# KiCad board ZX-Spectrum-Pentagon.kicad_pcb (continued)
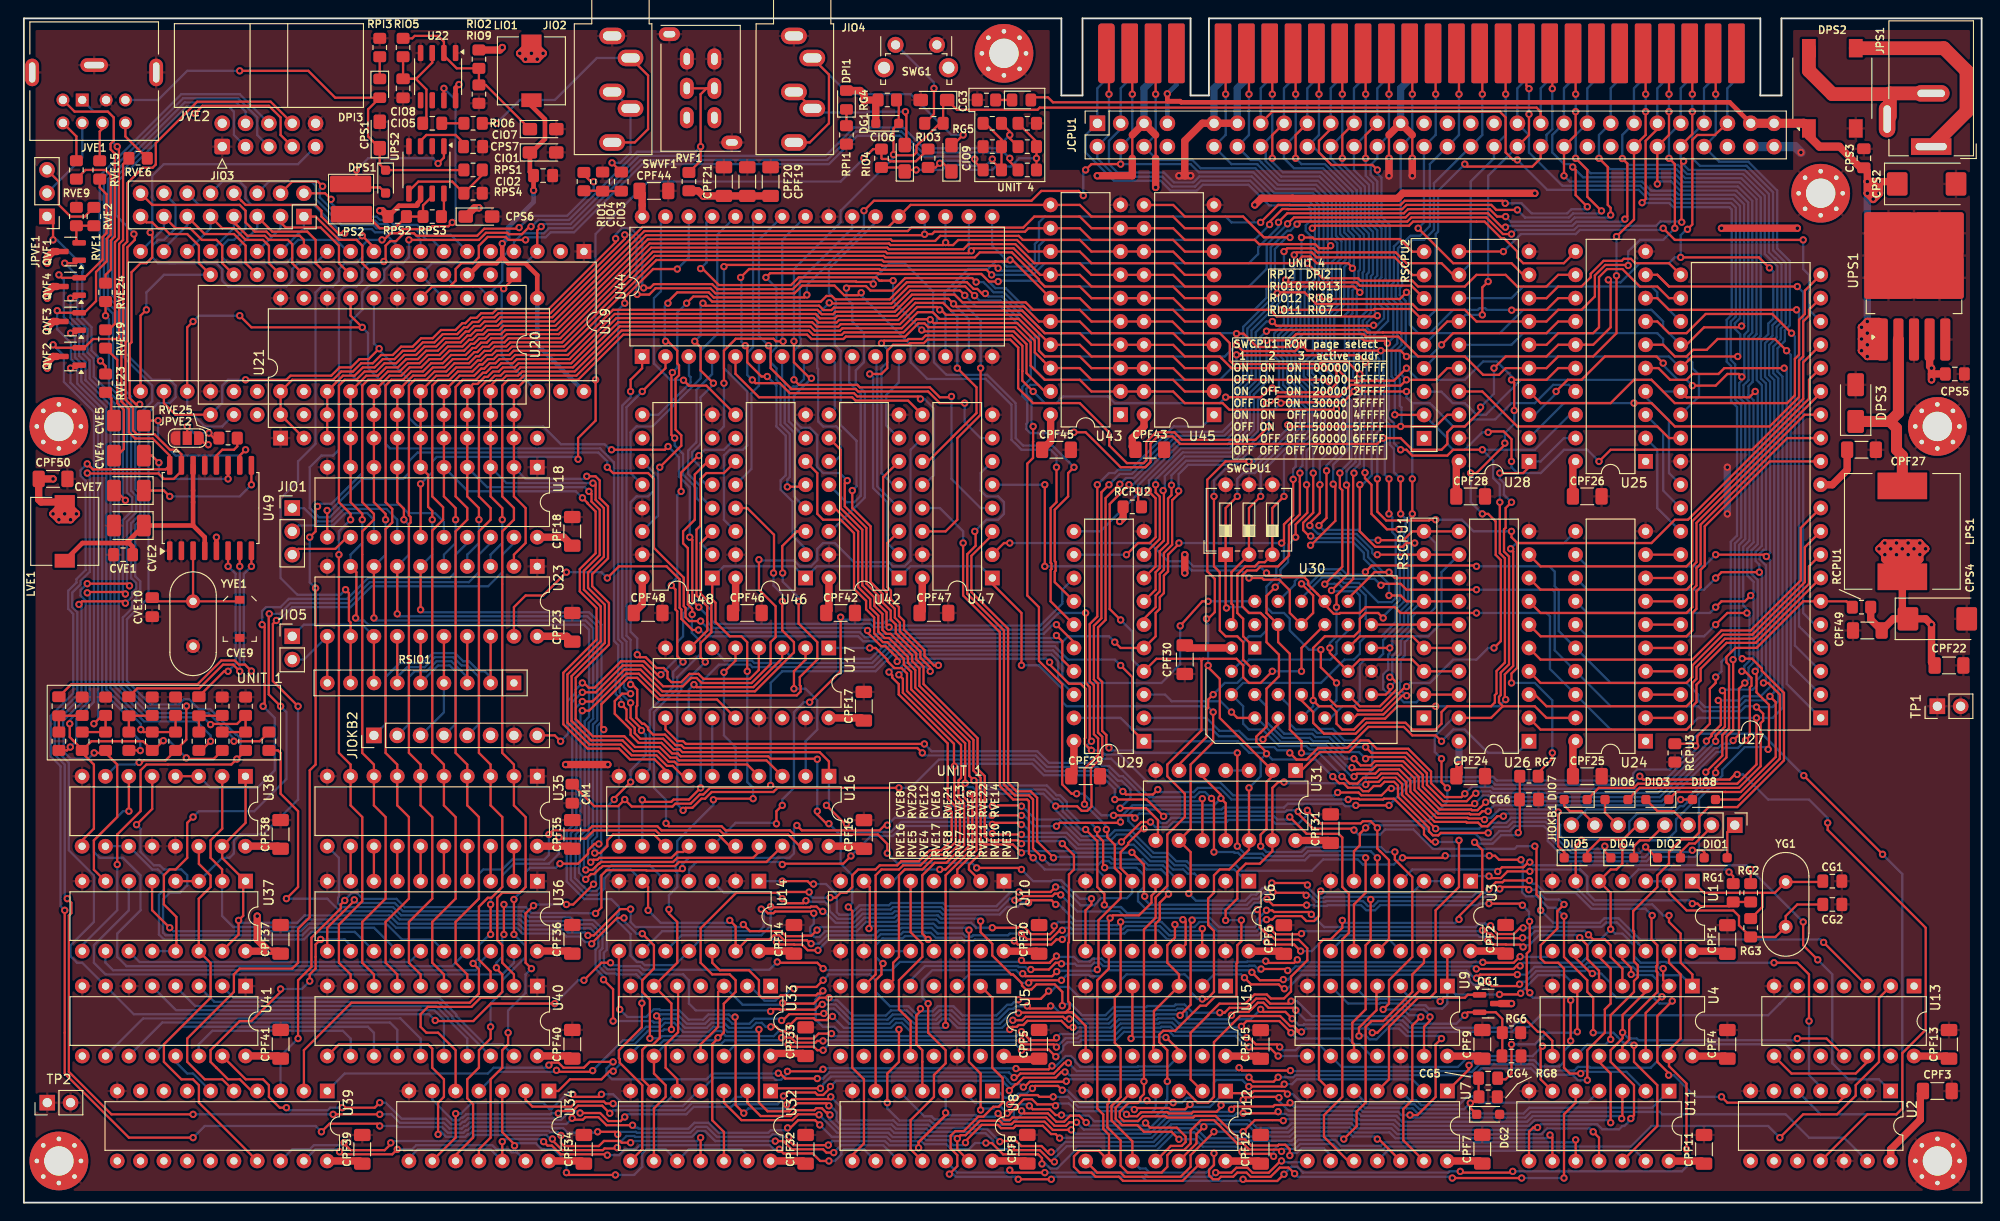
[diagram p0: board, top side]
## Routing (per net, layer and track width the routed paths; a pad name or vN(x,y) marks a point on that pad's centre or on a via; arc(x,y) is an arc through that point) (continued)
/CPU: length 45.4
  Top w0.25: v1(59.74,11.8) 60.01,11.53 62.59,11.53 v1(62.87,11.8) ; U34.9 47,7.09 v1(47,9.7) ; U32.5 71.12,13.43 69.85,14.7 69.85,17.21 71.21,18.56 71.21,23.5 71.12,23.59
  Bottom w0.25: v1(62.87,11.8) 64.14,11.8 64.97,10.97 69.93,10.97 U32.5 ; v1(59.74,11.8) 59.04,11.8 57.42,10.18 57.22,10.18 56.52,10.89 48.77,10.89 47.58,9.7 v1(47,9.7)
/CPU/BUSACK: length 78.6
  Top w0.25: U28.1 163.83,80.1 163.19,79.47 v1(160.66,79.47) ; v1(146.05,40.82) 145.42,40.19 145.42,38.92 144.78,38.28 U3.6 ; v1(161.93,76.29) 161.29,75.66 161.29,73.51 161.11,73.33 161.11,70.92 161.66,70.37 161.66,58.64 160.75,57.73 160.75,55.28 160.56,55.09 160.56,54.49 160.99,54.07 ; 168.91,52.8 165.74,52.8 164.47,54.07 160.97,54.07 159.7,52.8 U26.19 ; v1(154.31,48.35) 154.31,45.8 v1(154.93,45.17)
  Bottom w0.25: v1(161.93,76.29) 161.11,77.11 161.11,78.39 160.66,78.84 v1(160.66,79.47) ; v1(146.05,40.82) 146.78,41.55 152.82,41.55 154.93,43.66 v1(154.93,45.17) ; v1(154.31,48.35) 153.58,49.08 153.58,50.8 155.58,52.8 U26.19 ; 168.9,83.28 167.64,83.28 165.1,80.74 U28.1
/CPU/DIR: length 55.6
  Top w0.25: v1(137.8,48.99) 138.52,48.26 139.61,48.26 140.87,49.53 144.05,49.53 146.34,51.82 150.2,51.82 151.13,50.89 153.67,50.89 v1(154.31,50.26)
  Bottom w0.25: U29.19 119.38,52.8 120.65,51.53 129.36,51.53 130.08,50.8 132.22,50.8 133.4,49.62 136.1,49.62 136.44,49.28 137.5,49.28 v1(137.8,48.99) ; U26.1 162.56,48.99 159.39,48.99 156.84,51.53 155.58,51.53 v1(154.31,50.26)
/CPU/RA15: length 104.9
  Top w0.25: RSCPU2.6 151.03,97.34 147.02,97.34 146.93,97.25 v1(136.88,97.25) ; U30.3 132.72,59.15 132.72,61.05 132.08,61.69 130.81,61.69 130.18,62.32 130.18,68.67 129.54,69.31 v1(129.54,76.93) ; v1(166.37,121.34) 166.37,124.91 XMCPU1.B20 ; 165.1,115.03 165.1,113.76 164.2,112.86 157.11,112.86 v1(156.84,113.12)
  Bottom w0.25: v1(136.88,97.25) 137.15,96.98 137.15,95.73 136.09,94.67 136.09,92.21 136.62,91.68 136.62,88.89 137.73,87.78 137.73,86.51 138.46,85.78 138.46,84.57 133.8,79.92 130.78,79.92 129.54,78.68 v1(129.54,76.93) ; v1(166.37,121.34) 166.37,116.94 165.74,116.3 165.74,115.66 165.1,115.03 ; RSCPU2.6 153.67,97.22 153.67,105.5 153.94,105.77 153.94,110.22 v1(156.84,113.12)
/CPU/RA16: length 70.3
  Top w0.25: v1(132.08,76.93) 130.81,75.66 SWCPU1.1 130.81,64.86 v1(130.9,64.78) ; RSCPU2.7 151.03,99.88 145.42,99.88 145.06,100.24 137.62,100.24 v1(137.35,100.52)
  Bottom w0.25: v1(137.35,100.52) 137.6,100.26 137.6,95.55 136.54,94.49 136.54,92.39 137.06,91.87 137.06,89.08 138.18,87.96 138.18,86.7 138.91,85.97 138.91,84.39 133.99,79.47 132.72,79.47 132.08,78.83 v1(132.08,76.93) ; v1(130.9,64.78) 130.99,64.86 132.72,64.86 133.35,64.23 134.62,64.23 135.25,63.59 135.25,62.32 134.62,61.69 133.35,61.69 132.72,61.05 132.72,59.15 131.44,57.88
/CPU/RA17: length 60.5
  Top w0.25: RSCPU2.8 151.15,101.04 149.22,102.97 140.73,102.97 140.19,103.5 138.55,103.5 v1(138.27,103.23) ; 131.44,62.96 131.62,63.14 131.62,65.08 131.44,65.26 131.44,68.67 SWCPU1.2 133.35,75.66 v1(134.62,76.93)
  Bottom w0.25: v1(138.27,103.23) 138.27,100.58 138.05,100.36 138.05,95.36 136.99,94.3 136.99,92.58 137.52,92.06 137.52,89.27 138.63,88.15 138.63,86.88 139.36,86.16 139.36,84.2 134.62,79.47 v1(134.62,76.93)
/CPU/RA18: length 65.3
  Top w0.25: v1(139.06,105.13) 140.29,105.13 140.46,104.96 149.77,104.96 151.15,103.58 RSCPU2.9 ; v1(137.16,76.93) 135.89,75.66 SWCPU1.3 135.07,69.76 134.44,69.76 133.99,69.31 132.96,69.31 132.08,68.43 132.08,64.23 132.72,63.59 132.72,61.69 U30.1
  Bottom w0.25: v1(139.06,105.13) 139.06,102.97 138.97,102.88 138.97,100.34 138.5,99.86 138.5,95.18 137.44,94.11 137.44,92.77 137.97,92.24 137.97,89.45 139.08,88.34 139.08,87.07 139.81,86.34 139.81,84.02 137.16,81.37 v1(137.16,76.93)
/CPU/xA0: length 11.7
  Bottom w0.25: 180.34,78.2 179.07,79.47 179.07,85.18 176.52,87.73 U25.4
/CPU/xA1: length 11.7
  Bottom w0.25: 180.34,75.66 178.44,77.56 178.44,83.91 U25.3
/CPU/xA2: length 11.8
  Bottom w0.25: U25.2 177.8,82.01 177.8,82.01 177.8,75.66 180.34,73.12
/CPU/xA3: length 3.8
  Top w0.25: 176.53,70.58 180.34,70.58
/CPU/xA4: length 3.8
  Top w0.25: 176.53,68.04 180.34,68.04
/CPU/xA5: length 3.8
  Top w0.25: 176.53,65.5 180.34,65.5
/CPU/xA6: length 3.8
  Top w0.25: 176.53,62.96 180.34,62.96
/CPU/xA7: length 3.8
  Top w0.25: 176.53,60.42 180.34,60.42
/CPU/xA8: length 3.8
  Top w0.25: 176.53,57.88 180.34,57.88
/CPU/xA9: length 3.8
  Top w0.25: 176.53,55.34 180.34,55.34
/CPU/xA10: length 3.8
  Top w0.25: 176.53,52.8 180.34,52.8
/CPU/xA11: length 55.9
  Top w0.25: U25.5 177.92,90.91 179.19,89.63 180.98,89.63 181.61,90.26 184.45,90.26 185.09,90.9 v1(191.6,90.9)
  Bottom w0.25: 195.58,52.8 191.88,56.5 191.88,90.63 v1(191.6,90.9)
/CPU/xA12: length 56.2
  Top w0.25: v1(191.87,92.8) 190.6,94.07 184.36,94.07 183.18,92.89 181.7,92.89 180.97,92.17 179.71,92.17 178.43,93.44 U25.6
  Bottom w0.25: 195.58,55.34 192.33,58.59 192.33,92.35 v1(191.87,92.8)
/CPU/xA13: length 56.3
  Top w0.25: v1(192.41,94.71) 190.31,96.8 183.06,96.8 180.97,94.71 179.07,94.71 177.8,95.98 U25.7
  Bottom w0.25: v1(192.41,94.71) 192.78,94.34 192.78,60.68 195.58,57.88
/CPU/xA14: length 54.9
  Top w0.25: v1(192.95,97.25) 179.07,97.25 177.8,98.52 U25.8
  Bottom w0.25: 195.58,60.42 193.22,62.77 193.22,96.98 v1(192.95,97.25)
/CPU/xA15: length 57.1
  Top w0.25: 179.07,99.79 177.8,101.06 U25.9 ; 179.07,99.79 v1(193.04,99.79) ; 179.07,99.79 177.8,101.06 177.8,101.06
  Bottom w0.25: 195.58,62.96 194.94,62.96 193.68,64.23 193.68,99.16 v1(193.04,99.79)
/CPU/xD0: length 43.8
  Top w0.25: U27.14 193.84,85.82 182.06,74.04 182.06,69.76 181.61,69.31 181.61,67.4 180.97,66.77 165.09,66.77 163.82,68.04
/CPU/xD1: length 42.8
  Top w0.25: 195.58,88.36 U27.15 195.59,88.2 181.61,74.23 181.61,69.94 180.97,69.31 165.09,69.31 163.82,70.58
/CPU/xD2: length 46
  Top w0.25: 163.82,62.96 165.09,61.69 180.97,61.69 181.61,62.32 181.61,64.23 182.06,64.68 182.06,66.58 182.51,67.03 182.51,68.94 182.96,69.39 182.96,73.67 190.03,80.74 195.58,80.74
/CPU/xD3: length 42.1
  Top w0.25: 195.58,70.58 194.31,69.31 194.31,67.41 188.33,61.42 185.15,61.42 182.06,58.33 182.06,57.06 181.61,56.61 181.61,54.7 180.97,54.07 165.74,54.07 164.47,55.34 U26.3
/CPU/xD4: length 42.1
  Top w0.25: 163.82,52.8 165.09,51.53 180.97,51.53 181.61,52.16 181.61,54.07 182.06,54.52 182.06,56.42 182.51,56.87 182.51,58.15 185.34,60.97 188.52,60.97 195.58,68.04
/CPU/xD5: length 42.1
  Top w0.25: 195.58,73.12 193.86,71.4 193.86,67.59 188.14,61.88 184.97,61.88 181.61,58.52 181.61,57.24 180.97,56.61 165.09,56.61 163.82,57.88
/CPU/xD6: length 42.5
  Top w0.25: 195.58,75.66 193.41,73.49 193.41,67.78 187.96,62.32 184.78,62.32 181.6,59.15 165.09,59.15 163.82,60.42
/CPU/xD7: length 44.9
  Top w0.25: 163.82,65.5 165.09,64.23 180.97,64.23 181.61,64.86 181.61,66.77 182.06,67.22 182.06,69.12 182.51,69.57 182.51,73.86 191.93,83.28 195.58,83.28
/CPU/~{BUSACK}: length 176.2
  Top w0.25: v1(174.62,102.08) 174.57,102.14 172.14,102.14 171,101 171,98.7 169.55,97.25 167,97.25 165.74,95.98 U28.7 158.12,95.98 156.84,97.25 151.77,97.25 151.13,97.88 140.67,97.88 139.4,99.16 136.52,99.16 v1(136.43,99.07) ; v1(179.71,106.14) 179.71,113.12 v1(179.07,113.76) ; v1(147.32,37.56) U3.5 ; v1(118.11,49.54) 117.83,49.82 117.83,50.93 117.37,51.39 117.37,56.72 116.92,57.17 116.92,62.65 117.74,63.47 117.74,76.74 119.26,78.26 v1(119.29,78.26) ; v1(132.08,48.99) v1(132.08,38.83)
  Bottom w0.25: v1(132.08,38.83) 132.9,38.01 134.8,38.01 135.07,37.74 139.25,37.74 139.79,38.28 146.59,38.28 v1(147.32,37.56) ; v1(179.71,106.14) 178.44,104.87 175.9,104.87 174.62,103.6 v1(174.62,102.08) ; v1(119.29,78.26) 119.96,78.92 120.8,78.92 125.4,83.52 130.65,83.52 132.08,84.95 132.08,88.76 133.18,89.86 133.18,95.21 136.43,98.46 v1(136.43,99.07) ; v1(179.07,113.76) 179.07,116.3 180.34,117.57 180.34,121.38 181.33,122.37 XMCPU1.A26 ; v1(118.11,49.54) 118.39,49.26 120.67,49.26 120.94,48.99 v1(132.08,48.99)
/CPU/~{BUSRQ}: length 89.8
  Top w0.25: U27.25 181.16,91.72 181.16,91.72 181.61,92.17 v1(186.55,92.17)
  Bottom w0.25: XMCPU1.A19 163.55,122.37 162.56,121.38 162.56,117.57 163.83,116.3 163.83,114.39 167.46,110.77 175.95,110.77 176.94,109.79 179.47,109.79 179.92,109.34 186.02,109.34 186.8,108.56 186.8,96.34 186.25,95.79 186.25,95.19 186.83,94.61 186.83,92.44 v1(186.55,92.17) ; 180.34,90.9 179.07,92.17 153.67,92.17 153.04,91.53 152.41,90.91 RSCPU2.4
/CPU/~{DI_ULA}: length 82.4
  Top w0.25: v1(121.28,77.56) 121.28,76.15 RCPU2.2 ; v1(135.89,95.98) 136.36,95.51 146.86,95.51 v1(146.91,95.57) ; v1(146.05,113.76) 146.05,116.3 147.32,117.57
  Bottom w0.25: U29.11 117.17,73.12 121.28,77.23 v1(121.28,77.56) 121.28,78.13 125.77,82.62 131.02,82.62 132.98,84.58 132.98,88.38 134.08,89.48 134.08,94.8 135.25,95.98 v1(135.89,95.98) ; v1(146.91,95.57) 147.3,95.57 148.05,96.31 148.05,97.36 147.52,97.88 147.52,100.54 147.77,100.79 147.77,106.13 146.87,107.03 146.87,111.04 146.05,111.86 v1(146.05,113.76) ; 147.32,117.57 147.32,121.38 148.31,122.37 XMCPU1.A13
/CPU/~{HALT}: length 34.1
  Top w0.25: U28.9 163.19,101.06 161.93,102.33 155.58,102.33 v1(151.77,106.14) ; v1(153.67,120.74) 153.67,124.91 XMCPU1.B15
  Bottom w0.25: v1(151.77,106.14) 152.4,106.77 152.4,115.03 153.67,116.3 v1(153.67,120.74)
/CPU/~{IORQ}: length 93.8
  Top w0.25: v1(158.75,120.74) 158.75,124.91 XMCPU1.B17 ; v1(124.92,78.15) 124.92,77.08 124.54,76.7 124.54,71.85 123.64,70.95 123.64,69.12 123.19,68.67 123.19,66.77 121.92,65.5 U29.7 ; v1(135.25,87.09) 135.8,87.09 136.53,87.81 143.18,87.81 144.45,89.08 145.08,89.08 145.17,88.99 149.86,88.99 v1(150.5,89.63) 153.67,89.63 154.94,90.9 U28.16
  Bottom w0.25: v1(135.25,87.09) 134.78,86.61 134.78,83.83 131.77,80.82 126.52,80.82 124.92,79.22 v1(124.92,78.15) ; v1(150.5,89.63) 149.77,90.35 149.77,92.61 150.41,93.24 150.41,98.21 149.77,98.85 149.77,99.61 150.02,99.86 150.02,103.76 151.13,104.87 152.4,104.87 153.49,105.95 153.49,111.04 157.48,115.03 157.48,115.03 158.75,116.3 v1(158.75,120.74)
/CPU/~{M1}: length 106.4
  Top w0.25: v1(123.19,78.2) 123.19,77.35 123.64,76.9 123.64,72.3 U29.9 ; v1(135.25,93.93) 137.8,93.93 138.48,94.61 145.8,94.61 146.09,94.33 148.11,94.33 148.12,94.33 149.6,94.33 151.77,92.17 156.84,92.17 158.84,90.17 160.56,90.17 161.29,90.9 U28.5 165.74,90.9 167,92.17 170.81,92.17 173.36,94.71 v1(173.36,100.97) ; v1(173.36,105.23) 174.53,106.4 174.57,106.4 175.26,107.1 175.26,115.03 175.9,115.66 175.9,115.67 176.53,116.3 v1(176.53,118.84) ; XMCPU1.B24 176.53,124.91 v1(176.53,120.74)
  Bottom w0.25: v1(176.53,118.84) v1(176.53,120.74) ; v1(135.25,93.93) 135.25,93.93 135.25,89.39 133.88,88.01 133.88,84.2 131.4,81.72 126.14,81.72 123.19,78.77 v1(123.19,78.2) ; v1(173.36,100.97) v1(173.36,105.23)
/CPU/~{NMI}: length 103
  Top w0.25: 195.58,93.44 193.68,91.53 193.68,87.57 188.12,82.01 172.72,82.01 v1(171.45,80.74) ; v1(161.93,80.74) 161.93,83.16 161.08,84 159.47,84 v1(159.39,83.91) ; v1(149.22,85.82) RSCPU2.2 ; XMCPU1.B14 151.13,124.91 v1(151.13,120.74)
  Bottom w0.25: RSCPU2.2 153.66,84.55 153.67,84.55 154.94,83.28 154.94,82.64 155.58,82.01 156.84,82.01 158.75,83.91 v1(159.39,83.91) ; v1(149.22,85.82) 149.22,89.63 148.87,89.98 148.87,92.98 149.5,93.62 149.5,97.84 148.87,98.48 148.87,99.98 149.12,100.23 149.12,104.13 149.86,104.87 149.86,115.03 151.13,116.3 v1(151.13,120.74) ; v1(161.93,80.74) 161.93,80.1 162.56,79.47 165.1,79.47 167.64,82.01 170.18,82.01 v1(171.45,80.74)
/CPU/~{ROMCE}: length 29.5
  Top w0.25: v1(129.45,55.34) 128.91,54.79 128.91,53.91 128.73,53.74 128.73,50.72 125.74,47.72 U31.6
  Bottom w0.25: v1(129.45,55.34) 130.72,56.61 132.08,56.61 132.71,57.24 132.72,57.24 132.72,58.51 133.35,59.15 142.24,59.15 142.88,59.79 142.88,61.06 144.15,62.32 U30.22
/CPU/~{ROMSEL}: length 141.7
  Top w0.25: U31.1 139.05,47.07 141.06,49.08 144.24,49.08 145.51,50.35 146.35,50.35 147.26,49.44 150.69,49.44 153.17,46.96 153.17,45.69 154.69,44.17 156.47,44.17 v1(156.84,44.54) ; RCPU3.1 181.74,49.99 v1(181.98,49.75) 182.16,49.93 182.16,50.8 183.52,52.16 183.52,55.97 184.15,56.61 v1(184.15,57.24) ; v1(176.14,108.92) 176.53,109.31 176.53,115.66 177.8,116.94 177.8,117.57
  Bottom w0.25: 177.8,117.57 177.8,121.38 178.79,122.37 XMCPU1.A25 ; v1(156.84,44.54) 157.61,45.31 159.73,45.31 159.96,45.07 177.69,45.07 181.98,49.36 v1(181.98,49.75) ; v1(184.15,57.24) 184.78,57.88 184.78,58.92 185.79,59.92 185.79,60.16 185.79,60.16 185.79,71.99 186.47,72.67 186.47,86.66 185.83,87.31 185.83,91.13 185.35,91.61 185.35,96.16 185.9,96.71 185.9,108.19 185.64,108.44 179.54,108.44 179.1,108.89 176.18,108.89 v1(176.14,108.92)
/CPU/~{WAIT}: length 87.2
  Top w0.25: v1(168.91,118.84) 168.91,116.3 167.64,115.03 v1(167.64,111.85) ; v1(168.91,120.74) 168.91,124.91 XMCPU1.B21 ; 180.34,93.44 180.97,93.44 182.88,95.34 186.83,95.34 v1(186.97,95.49)
  Bottom w0.25: v1(168.91,118.84) v1(168.91,120.74) ; 180.34,93.44 178.44,95.34 178.44,95.98 177.17,97.25 163.19,97.25 160.66,94.71 153.7,94.71 RSCPU2.5 ; v1(167.64,111.85) 168.28,111.22 176.14,111.22 177.12,110.24 179.66,110.24 180.1,109.79 186.2,109.79 187.25,108.75 187.25,95.76 v1(186.97,95.49)
/CPU/~{WR}: length 96.1
  Top w0.25: v1(158.75,96.7) 158.75,99.7 v1(159.39,100.34) ; U28.14 154.94,95.98 153.67,94.71 149.86,94.71 149.79,94.78 147.93,94.78 147.93,94.78 146.28,94.78 145.99,95.06 135.39,95.06 v1(135.26,94.93) ; v1(120.02,70.58) 121.28,71.85 122.55,71.85 123.19,72.49 123.19,76.72 122.39,77.52 v1(122.39,77.6) ; XMCPU1.B19 163.55,121.66 163.83,121.38 v1(163.83,121.34) ; v1(163.83,118.56) 163.83,116.3 162.56,115.03
  Bottom w0.25: 162.56,115.03 159.39,111.85 v1(159.39,100.34) ; U28.14 156.93,96.7 v1(158.75,96.7) ; v1(135.26,94.93) 135.23,94.93 134.53,94.23 134.53,89.3 133.43,88.2 133.43,84.39 131.21,82.17 125.96,82.17 122.47,78.68 122.47,77.65 122.41,77.6 v1(122.39,77.6) ; v1(163.83,121.34) v1(163.83,118.56) ; v1(120.02,70.58) U29.12
/CPU/~{xBUSACK}: length 26.6
  Bottom w0.25: U28.13 161.93,98.52 163.19,99.79 177.17,99.79 177.8,99.16 177.8,98.52 180.34,95.98
/CPU/~{xHALT}: length 48.7
  Top w0.25: v1(193.68,104.87) 179.71,104.87 v1(178.44,106.14) ; v1(161.05,103.6) U28.11
  Bottom w0.25: v1(178.44,106.14) 178.25,105.95 169.37,105.95 168.92,105.5 162.95,105.5 v1(161.05,103.6) ; v1(193.68,104.87) 193.68,101.69 194.31,101.06 194.31,97.25 195.58,95.98
/CPU/~{xIORQ}: length 46.2
  Top w0.25: U28.4 165.1,87.09 172.72,87.09 175.26,89.63 177.17,89.63 179.71,87.09 191.92,87.09 192.78,87.94 192.78,91.91 193.22,92.36 193.22,96.17 193.86,96.8 193.86,99.34 195.58,101.06
/CPU/~{xM1}: length 34.5
  Bottom w0.25: 180.34,85.82 182.33,87.81 182.33,90.18 181.61,90.9 181.61,91.53 180.97,92.17 179.71,92.17 178.44,93.44 178.44,94.07 177.8,94.71 163.19,94.71 161.93,93.44 U28.15
/CPU/~{xMREQ}: length 45.1
  Top w0.25: v1(175.26,87.09) 177.17,87.09 179.71,84.55 190.02,84.55 193.22,87.75 193.22,91.72 193.68,92.17 193.68,95.98 194.31,96.61 194.31,97.25 195.58,98.52
  Bottom w0.25: U28.2 167.64,87.09 v1(175.26,87.09)
/CPU/~{xRD}: length 19.2
  Top w0.25: 180.34,101.06 179.07,102.33 175.4,102.33 174.93,102.81 174.15,102.81 173.93,102.59 171.95,102.59 170.55,101.19 170.55,100.79 169.55,99.79 167,99.79 165.74,98.52 U28.8
/CPU/~{xRFSH}: length 26.2
  Top w0.25: 180.34,83.28 179.07,83.28 177.8,84.55 162.56,84.55 158.75,88.36 U28.17
/CPU/~{xWR}: length 24.4
  Top w0.25: U28.6 165.74,93.44 167,94.71 170.81,94.71 171.45,95.34 171.45,100.82 172.32,101.69 174,101.69 175.9,99.79 177.8,99.79 179.07,98.52 180.34,98.52
/CS_32765: length 77.9
  Top w0.25: CM1.1 62.09,43.18 64.68,43.18 v1(65.41,43.91) 66.17,43.15 70.6,43.15 70.91,43.46 72.58,43.46 73.57,44.45 73.96,44.45 74.69,45.18 81.01,45.18 v1(81.28,45.45)
  Bottom w0.25: U16.11 64.77,43.27 v1(65.41,43.91) ; U29.18 112.58,57.06 112.58,58.96 111.84,59.7 94.53,59.7 92.71,57.88 82.55,57.88 81.28,56.61 v1(81.28,45.45)
/D0: length 293.2
  Top w0.25: U30.13 144.78,52.8 145.15,53.17 147.98,53.17 150.03,55.22 v1(150.52,55.22) ; v1(61.27,79.12) 62.22,79.12 62.68,78.66 62.68,76.74 63.58,75.84 63.58,70.17 61.86,68.45 61.86,67.14 63.68,65.32 63.68,60.78 60.07,57.16 60.07,52.67 61.93,50.8 65.35,50.8 66.52,49.63 69.21,49.63 70.37,48.47 71,48.47 71.31,48.17 80.83,48.17 U16.3 ; 119.38,88.36 121.92,88.36 ; v1(139.97,73.75) 139.97,74.03 141.07,75.12 v1(141.07,78.2) ; U23.2 53.34,70.58 54.61,71.85 54.61,75.66 53.34,76.93 U18.2 U21.11 U19.37 54.6,89.63 60.32,89.63 65.25,94.55 85.25,94.55 85.73,94.07 89.21,94.07 89.47,94.34 95.92,94.34 97.35,95.78 98.03,95.78 98.44,95.36 107.93,95.36 109.59,93.7 109.59,91.17 111.12,89.63 114.94,89.63 116.21,88.36 119.38,88.36 ; U45.19 122.87,88.35 122.88,88.36 125.09,88.36 126.37,87.09 130.49,87.09 131.22,86.36 142.78,86.36 v1(142.88,86.45) ; v1(147.32,70.58) RSCPU1.8 U26.12 ; XMCPU1.B6 130.81,124.91 v1(130.81,120.74)
  Bottom w0.25: v1(61.27,79.12) 60.99,78.83 54.61,78.83 U18.2 ; v1(150.52,55.22) 150.24,55.5 150.21,55.5 149.78,55.92 149.78,56.63 149.86,56.71 149.86,59.15 150.31,59.6 150.31,61.05 150.94,61.69 152.87,61.69 154.31,63.13 154.31,68.67 U26.12 ; v1(139.97,73.75) 140.25,73.48 140.25,73.45 140.86,72.84 145.06,72.84 146.76,71.14 146.76,70.76 146.95,70.58 v1(147.32,70.58) ; v1(130.81,120.74) 130.81,116.3 129.54,115.03 131.45,113.12 134.27,113.12 134.27,113.09 136.48,110.88 140.67,110.88 142.37,109.18 142.37,105.13 142.97,104.54 142.97,103.06 142.37,102.47 142.37,98.35 141.46,97.43 141.39,97.43 141.28,97.32 141.28,92.24 140.22,91.17 140.22,90.38 141.33,89.27 141.33,88 v1(142.88,86.45) 143.15,86.18 143.15,82.92 141.07,80.84 v1(141.07,78.2)
/D1: length 286
  Top w0.25: U30.14 148.24,55.34 148.73,55.83 v1(148.73,56.22) ; v1(133.35,120.74) 133.35,124.91 XMCPU1.B7 ; U16.4 78.74,47.72 71.12,47.72 70.82,48.02 70.18,48.02 69.03,49.18 66.34,49.18 65.16,50.35 61.74,50.35 59.62,52.48 59.62,57.34 63.24,60.96 63.24,65.13 61.41,66.96 61.41,68.64 63.13,70.36 63.13,75.66 62.23,76.56 62.23,78.2 62.05,78.38 v1(61.94,78.38) ; v1(52.07,74.39) 52.07,75.66 50.8,76.93 U18.3 U21.10 U19.36 50.8,88.99 51.43,89.63 52.07,89.63 52.52,90.08 53.78,90.08 54.23,90.53 59.95,90.53 64.87,95.45 85.62,95.45 86.1,94.97 88.83,94.97 89.1,95.24 95.55,95.24 97.3,97 98.92,97 99.66,96.26 108.3,96.26 110.49,94.07 110.49,92.8 111.12,92.17 114.94,92.17 116.21,90.9 119.38,90.9 ; 121.93,90.89 125.1,90.89 126.37,89.63 141.85,89.63 v1(142.05,89.44) ; v1(147.4,72.16) 150.17,72.16 151.13,73.12 RSCPU1.9 U26.11 ; 119.38,90.9 121.92,90.9 ; v1(141.79,79.72) 141.79,74.58 v1(140.97,73.75)
  Bottom w0.25: v1(140.97,73.75) 141.44,73.29 145.25,73.29 146.38,72.16 v1(147.4,72.16) ; U18.3 52.52,78.38 61.93,78.38 v1(61.94,78.38) ; v1(141.79,79.72) 141.79,80.29 143.6,82.1 143.6,87 142.05,88.55 v1(142.05,89.44) 140.88,90.6 140.88,91.2 141.73,92.05 141.73,97.07 142.82,98.16 142.82,102.28 143.42,102.88 143.42,104.72 142.82,105.32 142.82,109.36 140.86,111.32 136.66,111.32 134.72,113.27 134.72,113.31 134.45,113.57 133.54,113.57 132.08,115.03 133.35,116.3 v1(133.35,120.74) ; v1(148.73,56.22) 149.4,56.89 149.4,59.33 149.86,59.78 149.86,61.24 151.13,62.51 151.13,63.83 151.53,64.23 153.03,64.23 153.67,64.86 153.67,71.85 RSCPU1.9 ; U23.3 50.8,70.58 52.07,71.85 v1(52.07,74.39)
/D2: length 282.2
  Top w0.25: v1(140.05,71.61) 140.09,71.61 142.75,74.26 142.75,78.04 v1(142.52,78.27) ; v1(141.61,90.9) 131.44,90.9 130.36,91.98 130.18,92.17 126.37,92.17 125.1,93.44 121.93,93.44 ; v1(49.53,74.39) 49.53,75.66 48.26,76.93 U18.4 U21.9 U19.35 48.26,88.54 48.9,89.18 49.38,89.18 50.15,89.94 50.48,89.94 51.06,90.53 51.7,90.53 52.15,90.98 53.4,90.98 53.85,91.43 59.58,91.43 64.5,96.35 86,96.35 86.47,95.88 88.46,95.88 88.73,96.14 95.17,96.14 97.04,98.01 100.06,98.01 100.91,97.16 108.67,97.16 110.49,95.34 110.49,95.34 111.12,94.71 114.94,94.71 116.21,93.44 119.38,93.44 ; 119.38,93.44 121.92,93.44 ; v1(61.5,77.48) 61.78,77.2 61.78,76.37 62.68,75.47 62.68,70.55 60.96,68.83 60.96,66.77 62.79,64.95 62.79,61.15 59.17,57.53 59.17,52.29 61.56,49.9 64.98,49.9 66.15,48.73 68.84,48.73 70,47.57 70.63,47.57 71.75,46.45 U16.7 ; v1(148.68,57.23) 148.83,57.23 149.46,56.61 149.46,55.92 147.61,54.07 145.42,54.07 U30.15 ; v1(148.59,66.13) 149.86,66.13 150.5,65.5 RSCPU1.6 U26.14 ; v1(135.89,120.74) 135.89,124.91 XMCPU1.B8
  Bottom w0.25: U23.4 48.26,70.58 49.53,71.85 v1(49.53,74.39) ; v1(148.59,66.13) 148.59,67.4 145.86,70.13 145.86,70.76 144.69,71.94 140.38,71.94 v1(140.05,71.61) ; v1(148.68,57.23) 148.95,57.51 148.95,59.51 149.41,59.97 149.41,61.43 150.68,62.7 150.68,64.02 152.16,65.5 RSCPU1.6 ; v1(61.5,77.48) 61.05,77.93 50.43,77.93 U18.4 ; v1(135.89,120.74) 135.89,116.3 134.62,115.03 135.17,114.48 135.17,113.46 136.85,111.77 141.04,111.77 143.27,109.55 143.27,105.5 143.87,104.91 143.87,102.69 143.27,102.09 143.27,97.98 142.18,96.88 142.18,91.47 v1(141.61,90.9) 142.97,89.54 142.97,88.27 144.05,87.19 144.05,81.91 142.52,80.38 v1(142.52,78.27)
/D3: length 274.8
  Top w0.25: 57.79,92.33 53.48,92.33 53.03,91.88 51.77,91.88 51.32,91.43 50.69,91.43 50.1,90.84 49.77,90.84 49.01,90.08 47.43,90.08 U19.34 U21.8 U18.5 45.72,76.93 46.99,75.66 v1(46.99,74.39) ; v1(142.88,64.86) 142.88,66.13 144.69,67.95 144.69,79.38 v1(144.78,79.47) ; 119.38,95.98 116.21,95.98 114.94,97.25 109.85,97.25 109.04,98.06 102.16,98.06 101.31,98.91 96.67,98.91 94.8,97.04 88.35,97.04 88.09,96.77 86.84,96.77 86.37,97.25 64.13,97.25 59.21,92.33 57.15,92.33 ; U26.17 RSCPU1.3 151.13,59.15 145.42,59.15 U30.17 142.15,59.87 v1(142.15,60.42) ; U45.16 125.02,95.97 126.29,94.71 130.18,94.71 131.27,93.62 131.27,91.71 131.63,91.35 141.03,91.35 141.3,91.62 144.06,91.62 v1(145.42,90.26) ; XMCPU1.B11 143.51,124.91 v1(143.51,120.74) ; v1(60.8,76.77) 61.33,76.24 61.33,76.19 62.23,75.29 62.23,70.73 60.51,69.01 60.51,66.58 62.34,64.76 62.34,61.34 58.72,57.72 58.72,52.11 61.37,49.45 64.79,49.45 65.97,48.28 68.65,48.28 69.85,47.08 U16.8 ; 119.38,95.98 121.92,95.98
  Bottom w0.25: v1(144.78,79.47) 144.78,79.86 145.42,80.5 145.42,87.12 145.96,87.66 145.96,89.34 145.42,89.88 v1(145.42,90.26) 145.33,90.35 145.33,93.82 145.62,94.12 145.62,94.57 145.29,94.9 145.29,96.24 146.17,97.13 146.17,101.1 146.4,101.33 146.4,105.56 145.52,106.44 145.52,110.48 142.24,113.76 142.24,115.03 143.51,116.3 v1(143.51,120.74) ; v1(142.88,64.86) 142.88,61.69 142.15,60.97 v1(142.15,60.42) ; v1(60.8,76.77) 60.08,77.48 48.34,77.48 U18.5 ; v1(46.99,74.39) 46.99,71.85 45.72,70.58 U23.5
/D4: length 285.3
  Top w0.25: RSCPU1.2 U26.18 ; 121.93,98.51 121.93,98.52 125.09,98.52 126.37,97.25 135.65,97.25 136.37,96.52 147.23,96.52 v1(147.32,96.61) ; 119.38,98.52 121.92,98.52 ; v1(43.18,64.58) U23.6 ; v1(44.45,74.39) 44.45,75.34 44,75.79 44,79.28 U18.6 U21.7 U19.33 44.89,90.08 46.16,90.08 47.06,90.98 48.64,90.98 49.4,91.74 49.73,91.74 50.32,92.33 50.95,92.33 51.43,92.8 52.68,92.8 53.13,93.25 58.78,93.25 68.65,103.13 93.6,103.13 93.78,102.96 103.5,102.96 104.05,103.51 107.54,103.51 110.49,100.56 110.49,100.42 111.12,99.79 114.94,99.79 116.21,98.52 119.38,98.52 ; XMCPU1.B12 146.05,124.91 v1(146.05,120.74) ; v1(145.42,78.2) 145.42,73.12 147.1,71.43 150.08,71.43 150.5,71.85 v1(151.39,71.85) ; v1(148.68,60.42) U30.18 ; v1(62.13,38.08) 62.75,38.08 63.5,38.83 63.5,39.46 64.13,40.1 68.58,40.1 U16.13
  Bottom w0.25: v1(145.42,78.2) 145.69,78.2 146.7,79.21 146.7,87.11 147.07,87.47 147.07,91.69 146.52,92.24 146.52,94.94 146.19,95.27 146.19,95.87 146.93,96.61 v1(147.32,96.61) 147.07,96.86 147.07,100.73 147.32,100.98 147.32,105.91 146.42,106.81 146.42,110.85 144.78,112.49 144.78,115.03 146.05,116.3 v1(146.05,120.74) ; U23.6 44.45,70.58 v1(44.45,74.39) ; v1(62.13,38.08) 62.4,38.35 62.28,38.35 61.86,38.77 61.86,39.37 62.39,39.9 62.39,51.89 62.87,52.37 62.87,62.96 61.52,64.31 43.45,64.31 v1(43.18,64.58) ; v1(151.39,71.85) 151.13,71.59 151.13,65.1 150.23,64.2 150.23,62.88 148.96,61.61 148.96,60.7 v1(148.68,60.42) 148.68,59.87 148.5,59.7 148.5,58.08 147.95,57.53 147.95,55.97 148.43,55.5 149.57,55.5 149.79,55.27 149.79,54.92 150.22,54.5 151.56,54.5 RSCPU1.2
/D5: length 286
  Top w0.25: v1(142.33,66.68) 144.15,68.5 144.15,77.99 v1(143.97,78.17) ; v1(140.97,120.74) 140.97,124.91 XMCPU1.B10 ; 119.38,101.06 121.92,101.06 ; 119.38,101.06 116.21,101.06 114.94,102.33 109.99,102.33 107.92,104.41 102.82,104.41 102.27,103.86 94.15,103.86 93.98,104.03 68.28,104.03 58.4,94.16 52.76,94.16 52.31,93.7 51.05,93.7 50.58,93.23 49.94,93.23 49.36,92.64 49.03,92.64 48.26,91.88 46.68,91.88 45.78,90.98 44.52,90.98 43.62,90.09 42.36,90.09 40.65,88.37 U19.32 U21.6 U18.7 40.64,76.29 41.36,75.57 v1(41.36,74.39) ; v1(61.7,37.08) 61.97,37.36 62.43,37.36 62.64,37.56 70.49,37.56 71.12,38.19 71.75,38.19 U16.14 ; v1(145.42,99.16) 144.78,99.79 126.37,99.79 125.09,101.06 121.93,101.06 U45.14 ; v1(40.64,64.13) U23.7 ; U30.19 144.97,61.24 145.42,61.69 151.13,61.69 RSCPU1.4 U26.16
  Bottom w0.25: v1(143.97,78.17) 143.97,79.68 144.95,80.67 144.95,87.29 145.5,87.85 145.5,89.15 144.69,89.96 144.69,90.57 144.78,90.66 144.78,96.37 145.07,96.66 145.07,98.81 v1(145.42,99.16) 145.72,99.46 145.72,101.29 145.87,101.43 145.87,105.45 145.07,106.25 145.07,110.29 140.34,115.03 139.7,115.03 140.97,116.3 v1(140.97,120.74) ; v1(61.7,37.08) 61.41,37.37 61.41,39.56 61.94,40.09 61.94,52.08 62.42,52.55 62.42,62.78 61.33,63.86 40.91,63.86 v1(40.64,64.13) ; U30.19 144.15,60.42 145.42,61.69 145.42,66.13 144.95,66.6 142.42,66.6 v1(142.33,66.68) ; U23.7 41.91,70.58 41.91,73.84 v1(41.36,74.39)